# Altium PCB EVK-NORA-W40.PcbDoc (part 5 of 5)
Units mm, origin at the board's own origin, x right, y up, seen from the top; angles counter-clockwise.
Board outline 100 x 70 mm, 6 copper layers (L1, L2, L3, L4, L5, L6), stack 1.547 mm thick; 404 components, 228 nets, 1172 pads, 1349 vias.
Unrouted connection lines stored in the file: 69.
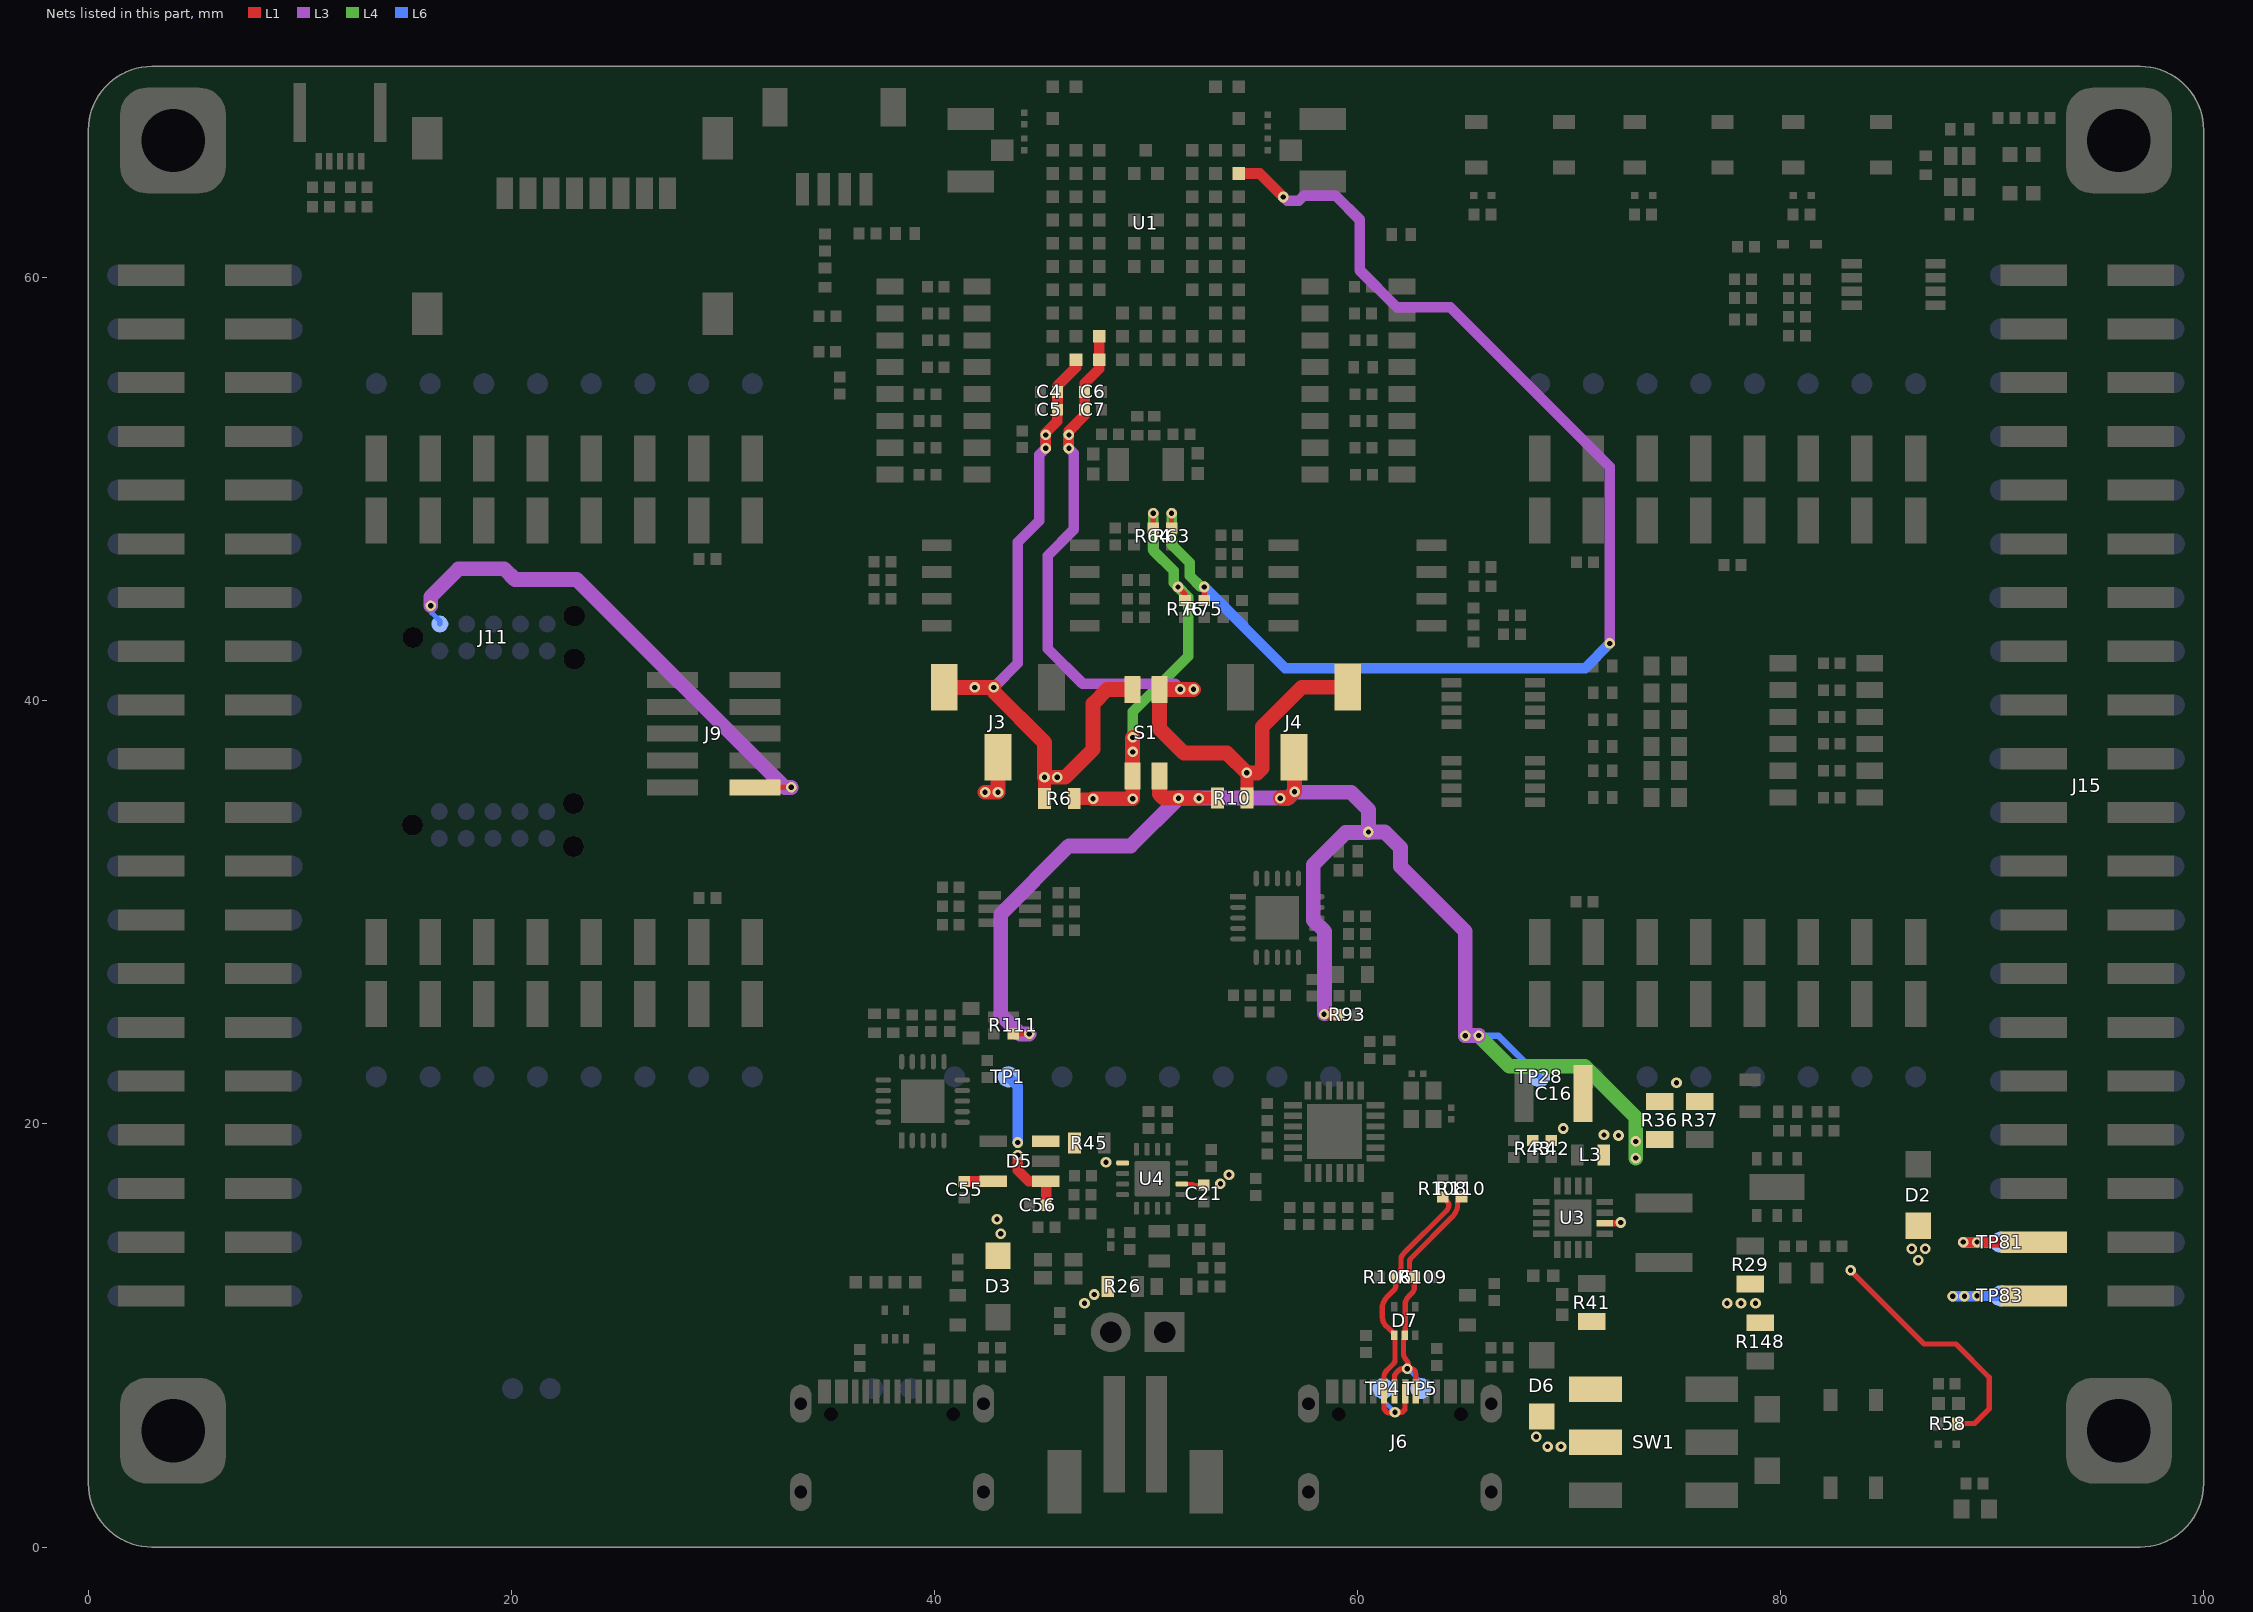
[diagram p9: the nets of this part, all layers, seen from the top]

## Via types
v1: diameter 0.5, hole 0.25, L1 to L6, 1349 vias

## Nets (pads, with @x,y where several pads share a name; then routed paths per layer and width w, separated by ;. In a path a pad name is that pad's centre, name@x,y a point inside that pad or via, vN(x,y) a via of type N, cw(c..) or ccw(c..) an arc to the next point about the centre after c; other vN are vias at no path point) (continued)
USB_n: D7.1 J6.A7 J6.B7 R106.2 R108.2 TP4.1 | length 15
  L1 w0.25: 62.052,13.527 62.052,13.247 cw(c61.403,13.247) 61.937,12.878 cw(c61.403,13.247) 61.862,12.788 R106.2@61.825,12.751 61.802,12.728 61.802,12.325 cw(c61.552,12.325) 61.73,12.149 61.402,11.821 ccw(c61.977,11.245) 61.163,11.245 61.163,10.973 ccw(c61.94,10.973) 61.163,10.971 ccw(c61.94,10.973) 61.199,10.738 ccw(c61.722,10.82) 61.444,10.371 61.488,10.335 61.705,10.118 D7.1@61.73,10.018 61.73,9.982 61.73,9.981 ccw(c61.98,9.982) 61.751,9.882 cw(c61.523,9.78) 61.773,9.78 61.773,9.293 61.773,8.841 cw(c61.523,8.841) 61.7,8.664 61.38,8.345 ccw(c61.694,8.031) 61.25,8.031 J6.B7@61.25,7.355 61.25,6.641 ccw(c61.574,6.641) 61.345,6.412 ccw(c61.493,6.56) 61.493,6.35 61.747,6.35 v1(61.773,6.375) 62.032,6.375 ccw(c62.032,6.599) 62.19,6.441 ccw(c62.045,6.586) 62.25,6.586 J6.A7@62.25,7.355 ; 62.052,13.528 cw(c62.566,13.528) 62.059,13.614 ccw(c61.813,13.654) 62.061,13.627 cw(c62.459,13.582) 62.176,13.865 62.202,13.891 ; 62.203,13.892 64.197,15.886 ccw(c64.019,16.062) 64.221,15.914 ccw(c63.649,16.329) 64.3,16.056 ; R108.2@64.027,16.547 64.246,16.328 cw(c64.069,16.151) 64.301,16.056
  L6 w0.203: TP4.1@61.214,7.493 61.214,6.934 v1(61.773,6.375)
USB_p: D7.2 J6.A6 J6.B6 R109.2 R110.2 TP5.1 | length 13.4
  L1 w0.25: J6.A6@61.75,7.355 61.75,8.046 cw(c62,8.046) 61.823,8.222 61.961,8.36 cw(c62.137,8.183) 62.137,8.433 v1(62.357,8.433) ; R109.2@62.531,12.924 cw(c62.709,13.1) 62.459,13.1 62.459,13.479 cw(c62.709,13.479) 62.532,13.655 64.498,15.622 ccw(c64.321,15.798) 64.516,15.642 ccw(c63.649,16.329) 64.725,16.073 ccw(c64.482,16.13) 64.729,16.167 cw(c64.943,16.199) 64.73,16.237 cw(c65.217,16.149) R110.2@64.919,16.543 ; R109.2@62.532,12.923 R109.2@62.689,12.766 ; R109.2@62.689,12.715 62.689,12.266 cw(c62.33,12.266) 62.584,12.012 62.408,11.836 ccw(c62.776,11.468) 62.255,11.471 62.255,10.149 cw(c62.005,10.149) 62.248,10.087 D7.2@62.23,10.018 62.23,9.964 cw(c61.98,9.964) 62.216,9.88 62.188,9.802 ccw(c62.423,9.717) 62.173,9.717 62.173,9.128 ccw(c62.423,9.129) 62.199,9.019 ccw(c63.216,9.526) 62.337,8.805 cw(c62.143,8.647) 62.389,8.6 v1(62.357,8.433) 62.5,8.433 cw(c62.5,8.183) 62.75,8.183 J6.B6@62.75,7.355
  L6 w0.203: v1(62.357,8.433) 62.992,7.798 TP5.1@62.992,7.493
V_BAT: C56.1 D5.1 D5.3 R26.1 R45.2 TP1.1 | length 6.7
  L1 w0.5: v1(43.942,18.517) 43.942,17.805 44.46,17.287 D5.1@45.268,17.287 45.282,17.274 C56.1@45.282,16.15
  L6 w0.5: TP1.1@43.489,22.231 43.942,21.778 v1(43.942,19.126)
  other v1: 47.092,11.532 47.549,11.938
VBUS: C21.1 C55.1 D2.C D3.C D5.5 D6.C SW1.2 U4.6 U4.13 | length 2.4
  L1 w0.2: U4.6@51.693,17.16 52.207,17.16 52.254,17.113 C21.1@52.73,17.113
  L1 w0.5: C55.1@41.402,17.291 42.764,17.291 D5.5@42.768,17.287
  other v1: 68.986,4.75 69.621,4.75 68.453,5.207 86.512,13.564 86.208,14.097 86.843,14.097 43.135,14.814 42.957,15.499 53.518,17.17 53.924,17.602 48.108,18.186
VDD: C4.1 C5.1 J3.1 R6.1 S1.4 U1.A8 | length 34.4
  L1 w0.5: v1(45.263,51.943) v1(45.262,52.578) 45.262,52.679 45.805,53.222 45.805,53.762 C5.1@45.815,53.772 45.817,54.609 C4.1@45.818,54.61 45.818,54.911 46.69,55.783 U1.A8@46.69,56.14
  L1 w0.6: R6.1@45.201,35.382 v1(45.201,36.394)
  L1 w0.7: J3.1@40.46,40.65 40.47,40.64 v1(41.91,40.64) v1(42.799,40.64) 42.799,40.437 45.201,38.035 v1(45.201,36.394) v1(45.81,36.394) 46.173,36.394 47.498,37.719 47.498,39.878 48.17,40.55 S1.4@49.365,40.55
  L3 w0.5: v1(41.91,40.64) v1(42.799,40.64) 43.942,41.783 43.942,47.498 44.958,48.514 44.958,51.638 v1(45.263,51.943) v1(45.262,52.578)
VDD_IO: J4.2 R10.2 R36.2 R93.1 R111.1 S1.2 TP28.1 | length 74.2
  L1 w0.25: R111.1@43.716,24.263 43.719,24.26 44.472,24.26 v1(44.475,24.257)
  L1 w0.5: v1@58.42,25.171 R93.1@59.115,25.171
  L1 w0.6: v1(52.502,35.408) R10.2@53.329,35.408
  L1 w0.7: S1.2@50.635,36.45 50.635,35.598 50.825,35.408 v1(51.537,35.408) v1(52.502,35.408) ; v1(56.348,35.408) 56.718,35.408 v1(57.023,35.712) J4.2@57.023,37.327
  L3 w0.7: v1(44.475,24.257) 44.044,24.257 43.129,25.171 43.129,29.921 46.355,33.147 49.276,33.147 v1(51.537,35.408) v1(52.502,35.408) v1(56.348,35.408) 56.718,35.408 v1(57.023,35.712) 57.048,35.687 59.69,35.687 60.518,34.859 v1(60.518,33.807) 61.29,33.807 62.027,33.071 62.027,32.182 65.096,29.113 v1(65.096,24.176) 65.1,24.181 v1(65.735,24.181) ; v1@58.445,25.212 58.445,29.108 57.912,29.642 57.912,32.258 59.436,33.782 v1@60.518,33.782
  L4 w0.7: v1(65.096,24.176) 65.731,24.176 v1(65.735,24.181) 67.183,22.733 70.739,22.733 73.152,20.32 v1(73.152,19.177) v1(73.152,18.39)
  L6 w0.3: v1(65.096,24.176) 66.665,24.176 TP28.1@68.61,22.231
  other v1: 58.42,25.187
VDD_MOD: C16.1 J3.2 J9.1 J11.1 J15.37 L3.2 R6.2 R36.1 R37.2 R42.2 R43.2 R58.2 R64.1 R76.1 S1.1 TP81.1 U3.14 | length 69.1
  L1 w0.25: J9.1@31.518,35.916 v1(33.226,35.916) ; v1(50.343,48.87) 50.346,48.867 R64.1@50.346,48.177 ; v1(51.511,45.39) 51.844,45.057 R76.1@51.844,44.743 ; v1(83.312,13.081) 86.792,9.601 88.29,9.601 89.865,8.026 89.865,6.528 89.179,5.842 88.385,5.842 R58.2@88.359,5.817
  L1 w0.3: U3.14@71.688,15.309 72.408,15.309 v1(72.441,15.342)
  L1 w0.5: v1@88.646,14.402 v1@88.654,14.41 ; v1(88.646,14.418) v1(89.292,14.418) ; v1@89.292,14.41 J15.37@91.975,14.41 91.967,14.418 v1(89.292,14.418)
  L1 w0.6: R6.2@46.601,35.382 v1(47.498,35.382)
  L1 w0.7: v1(42.393,35.687) v1(43.002,35.687) 43,35.689 J3.2@43,37.35 ; v1(47.498,35.382) v1@49.301,35.382 ; v1(49.378,35.382) 49.378,36.437 S1.1@49.365,36.45 49.365,38.265 v1(49.378,38.278)
  L3 w0.7: v1(16.18,44.501) 16.18,44.933 17.501,46.253 19.66,46.253 20.168,45.745 23.089,45.745 32.918,35.916 v1(33.226,35.916)
  L4 w0.5: v1(49.378,37.592) v1(49.378,38.278) 49.378,39.497 51.994,42.113 51.994,44.907 v1@51.513,45.388 ; v1(50.343,48.87) 50.343,47.117 51.308,46.152 51.308,45.595 51.511,45.392 v1(51.511,45.39)
  L6 w0.25: v1(16.18,44.501) 16.229,44.451 16.229,44.171 16.614,43.786 J11.1@16.614,43.637
  L6 w0.5: v1@88.646,14.402 90.392,14.402 TP81.1@90.4,14.41 90.396,14.414 89.296,14.414 v1(89.292,14.418)
  other v1: 72.339,19.456 71.653,19.482 69.723,19.787 75.082,21.946
VDD_SPI: R63.1 R75.1 U1.J1 | length 60.2
  L1 w0.25: R63.1@51.209,48.177 v1@51.209,48.999 ; v1(52.756,45.39) 52.757,45.388 52.757,44.744 R75.1@52.759,44.743
  L1 w0.5: U1.J1@54.39,64.94 55.38,64.94 v1(56.49,63.83)
  L3 w0.5: v1(56.49,63.83) 56.492,63.83 56.67,63.652 57.226,63.652 57.455,63.881 58.979,63.881 60.096,62.763 60.096,60.376 61.849,58.623 64.389,58.623 71.933,51.079 v1(71.933,42.723)
  L4 w0.5: v1(51.209,48.87) 51.209,47.394 52.07,46.533 52.07,45.923 52.602,45.391 52.754,45.391 v1(52.756,45.39)
  L6 w0.5: v1(52.756,45.39) 56.591,41.554 70.764,41.554 v1(71.933,42.723)
VIO: C6.1 C7.1 J4.3 R10.1 S1.3 U1.A7 U1.B7 | length 41.6
  L1 w0.5: v1(46.355,51.943) 46.355,52.58 46.357,52.582 46.357,52.768 47.091,53.502 47.091,53.762 C7.1@47.101,53.772 C6.1@47.101,54.61 47.101,55.026 47.79,55.715 U1.A7@47.79,56.14 U1.B7@47.79,57.24
  L1 w0.6: v1(54.763,36.601) 54.779,36.584 R10.1@54.779,35.408
  L1 w0.7: v1@52.248,40.538 51.636,40.538 v1(51.624,40.55) S1.3@50.635,40.55 50.635,38.697 51.791,37.541 53.823,37.541 v1(54.763,36.601) 55.27,36.601 55.499,36.83 55.499,38.786 57.363,40.65 J4.3@59.54,40.65
  L3 w0.5: v1(46.355,52.578) v1(46.355,51.943) 46.584,51.714 46.584,48.109 45.35,46.875 45.35,42.475 47,40.825 51.349,40.825 v1(51.624,40.55) 52.236,40.55 v1@52.248,40.538
  other v1: 52.248,40.55
VOUT: J15.39 R29.1 R41.1 R148.1 SW1.1 TP83.1 | length 2.3
  L6 w0.5: v1(88.138,11.862) v1(88.697,11.862) 89.288,11.862 v1@89.296,11.87 ; v1(89.292,11.878) 89.296,11.874 90.396,11.874 TP83.1@90.4,11.87
  other v1: 77.472,11.519 78.132,11.519 78.818,11.519
pads on no net: D4.4 D5.4 D7.4 J5.A8 J5.B8 J5.MH1 J5.MH2 J6.A8 J6.B8 J6.MH1 J6.MH2 J9.7 J10.1 J10.2 J10.3 J10.4 J10.5 J10.6 J10.7 J10.8 J10.9 J10.10 J10.A J10.B J10.C J11.7 J11.9 J11.A J11.B J11.C J13.1 J13.2 J13.3 J13.4 J13.5 J13.6 J13.7 J13.8 J14.1 J14.3 J14.5 RGB2.1 SW1.3 SW1.6 TP10.1 TP11.1 TP12.1 TP13.1 TP14.1 TP15.1 TP16.1 TP17.1 TP18.1 TP19.1 TP20.1 TP21.1 TP22.1 TP23.1 TP24.1 TP25.1 TP32.1 TP33.1 TP34.1 TP35.1 TP36.1 TP37.1 TP39.1 TP40.1 TP41.1 TP43.1 TP125.1 TP126.1 U4.12 U7.2 U7.5 U7.7 U7.14 U7.15 U8.6 U8.7 U8.8 U8.11 U8.12 U8.23 U9.2 U9.5 U9.7 U9.14 U9.15

## Polygon pours and split planes (outlines as drawn)
GND on L1 "GND_L1" (solid, remove dead copper, pour order 181): 2.718,69.545 97.205,69.545 cw(c97.205,67.183) 99.568,67.183 99.568,3.048 cw(c97.028,3.048) 97.028,0.508 3.301,0.508 cw(c3.301,3.318) 0.491,3.319 0.525,67.353 cw(c2.718,67.352)
V_BAT on L1 "NONET_L-01_P-001" (solid, pour order 171): 46.971,11.195 47.288,11.195 47.912,11.819 48.495,11.819 48.495,12.819 47.896,12.819 46.761,11.684 46.761,11.405
NetC36_1 on L1 "NONET_L-01_P-001" (solid, pour order 137): 57.092,28.127 57.092,27.516 57.589,27.018 57.589,26.623 57.631,26.581 58.382,26.581 58.547,26.416 58.547,25.984 58.746,25.785 59.375,25.785 59.369,25.791 59.369,27.34 59.832,27.803 59.832,30.095 59.312,30.095 59.312,29.62 59.057,29.365 57.83,29.365 57.83,28.493 57.464,28.127
NetC32_2 on L1 "NONET_L-01_P-001" (solid, pour order 130): 51.569,44.203 55.433,44.203 55.8,43.836 57.15,43.836 57.15,43.286 55.571,43.286 55.169,43.688 55.164,43.683 51.569,43.683
+3V3 on L1 "NONET_L-01_P-001" (solid, pour order 179): 74.822,42.615 75.006,42.799 75.286,42.799 76.149,41.935 76.149,34.874 75.565,34.29 75.032,34.29 74.822,34.5 74.822,35.033
+3V3 on L1 "NONET_L-01_P-001" (solid, pour order 180): 60.169,27.476 61.881,27.476 62.128,27.229 62.128,26.899 61.906,26.676 60.169,26.676
CHRG_OUT on L1 "NONET_L-01_P-001" (solid, pour order 120): 49.822,20.053 49.81,20.041 48.16,20.041 47.72,19.601 47.72,18.601 48.32,18.601 49.049,19.329 49.354,19.329 49.759,19.329 49.923,19.165 49.923,18.57 50.663,18.57 50.663,19.31 50.886,19.533 52.235,19.533 52.811,18.957 52.811,18.639 52.914,18.536 53.232,18.536 53.365,18.669 53.365,19.482 52.794,20.053
+3V3 on L1 "NONET_L-01_P-001" (solid, pour order 131): 61.011,21.59 61.011,22.555 60.857,22.708 60.857,23.355 60.307,23.355 60.307,22.74 60.003,22.436 60.003,21.159 60.58,21.159
+3V3 on L1 "NONET_L-01_P-001" (solid, pour order 132): 54.585,19.964 54.762,19.787 55.328,19.787 55.455,19.914 56.108,19.914 56.288,19.734 57.327,19.734 57.378,19.785 57.378,19.976 57.32,20.034 56.405,20.034 56.005,20.434 55.423,20.434 55.207,20.65 54.801,20.65 54.585,20.434
VBUS on L1 "NONET_L-01_P-001" (solid, pour order 154): 51.488,17.28 52.104,17.28 52.197,17.373 53.314,17.373 53.67,17.729 53.823,17.882 54.051,17.882 54.204,17.729 54.204,17.45 53.607,16.853 52.286,16.853 52.099,17.04 51.489,17.04
+3V3 on L1 "NONET_L-01_P-001" (solid, pour order 178): 6.45,30.15 11.227,30.15 11.481,29.896 11.481,29.388 11.243,29.15 6.45,29.15
VDD_MOD on L1 "NONET_L-01_P-001" (solid, pour order 177): 93.55,14.91 93.55,13.91 88.528,13.91 88.316,14.122 88.316,14.681 88.545,14.91
VBUS on L1 "NONET_L-01_P-001" (solid, pour order 174): 85.912,15.812 85.912,13.757 86.36,13.31 86.639,13.31 87.112,13.783 87.112,15.812
VBUS on L1 "NONET_L-01_P-001" (solid, pour order 141): 42.405,15.532 42.118,15.819 42.118,17.562 43.449,17.562 43.605,17.406 43.605,13.144 42.405,13.144
V_BAT on L1 "NONET_L-01_P-001" (solid, pour order 133): 43.688,19.284 43.878,19.474 45.304,19.474 45.431,19.601 46.92,19.601 46.92,18.601 46.32,18.601 46.074,18.847 44.628,18.847 44.005,18.224 43.803,18.224 43.688,18.339
GND on L1 "NONET_L-01_P-001" (solid, pour order 172): 47.641,54.762 48.362,54.762 48.539,54.585 49.276,54.585 49.428,54.432 49.428,54.127 49.327,54.026 48.768,54.026 48.362,53.619 47.641,53.619
NetC28_1 on L1 "NONET_L-01_P-001" (solid, pour order 121): 49.923,16.25 50.663,16.25 50.663,15.707 51.109,15.261 51.959,15.261 52.009,15.211 52.009,14.781 51.939,14.711 51.212,14.711 51.125,14.624 50.07,14.624 49.923,14.771
BAT_IN on L1 "NONET_L-01_P-001" (solid, pour order 122): 50.268,13.081 49.895,12.708 49.895,11.819 49.217,11.819 49.073,11.963 49.073,12.878 50.019,13.824 51.314,13.824 51.488,13.998 51.912,13.998 52.311,14.397 52.784,14.397 52.784,13.688 52.949,13.523 52.949,12.044 52.824,11.919 51.606,11.919 51.511,12.014 51.511,12.7 51.13,13.081
NetF3_2 on L1 "NONET_L-01_P-001" (solid, pour order 123): 49.939,11.1 50.206,11.367 50.206,12.705 50.22,12.719 51.06,12.719 51.308,12.471 51.308,11.709 51.384,11.633 51.819,11.199 51.819,8.893 50.998,8.072 50.998,2.584 49.998,2.584 49.998,8.809 49.939,8.867
DC_ind on L1 "NONET_L-01_P-001" (solid, pour order 124): 69.901,18.948 70.002,19.042 70.696,19.042 70.696,17.851 71.088,17.459 71.088,16.659 69.788,16.659 69.788,17.734 69.901,17.847
NetC17_1 on L1 "NONET_L-01_P-001" (solid, pour order 125): 75.667,14.148 75.565,14.249 73.127,14.249 72.441,14.959 71.288,14.959 71.288,14.545 71.202,14.459 69.788,14.459 69.788,12.41 69.617,12.238 69.375,12.238 69.375,11.638 69.975,11.638 69.975,11.784 70.248,12.057 75.43,12.057 75.848,12.497 75.848,13.966
VDD_MOD on L1 "NONET_L-01_P-001" (solid, pour order 126): 70.222,20.796 69.161,19.736 68.257,19.736 68.003,19.481 68.003,18.961 69.442,18.961 69.937,19.456 70.932,19.456 71.346,19.042 71.346,18.042 72.144,18.042 72.619,18.517 72.619,19.641 73.645,20.668 76.825,20.668 76.825,22.032 76.632,22.225 71.65,22.225 71.088,22.788 70.222,22.788
VOUT on L1 "NONET_L-01_P-001" (solid, pour order 127): 79.215,11.483 79.215,12.824 79.204,12.835 77.942,12.835 76.164,11.057 70.422,11.057 70.422,8.598 70,8.176 70,6.853 72.5,6.853 72.5,8.441 73.736,9.677 76.683,9.677 77.208,10.203 79.695,10.203 79.695,11.003
NetC12_1 on L1 "NONET_L-01_P-001" (solid, pour order 128): 79.928,12.454 78.547,13.835 77.915,13.835 77.915,14.635 77.216,15.334 77.216,18.059 77.83,18.673 79.11,18.673 79.11,18.043 78.66,18.043 78.651,18.034 78.207,18.034 77.915,17.742 77.915,16.217 78.139,15.993 79.11,15.993 79.11,15.2 79.807,14.503 80.453,14.503 80.457,14.499 80.457,13.525 80.528,13.454 80.528,12.454
NetC30_2 on L1 "NONET_L-01_P-001" (solid, pour order 129): 46.4,47.637 51.484,47.637 51.484,47.117 51.463,47.096 46.4,47.096
NetC41_1 on L1 "NONET_L-01_P-001" (solid, pour order 134): 39.832,22.699 39.828,22.703 39.828,23.774 39.497,24.105 38.666,24.105 38.666,24.625 41.075,24.625 41.335,24.365 42.368,24.365 42.527,24.523 43.077,24.523 43.077,24.003 42.838,23.765 42.129,23.765 41.732,23.368 41.732,22.784 42.05,22.466 42.772,22.466 42.772,21.946 41.108,21.946 41.066,21.988 41.066,22.46 40.827,22.699
+3V3 on L1 "NONET_L-01_P-001" (solid, pour order 136): 41.335,25.165 41.335,25.797 41.046,26.086 41.046,26.441 41.25,26.645 42.24,26.645 42.443,26.441 42.443,26.086 42.135,25.777 42.135,25.165
NetD4_5 on L1 "NONET_L-01_P-001" (solid, pour order 138): 35.9,6.861 35.9,8.626 35.458,9.068 35.077,9.068 34.874,8.865 34.874,8.636 35.3,8.21 35.3,6.861
NetD4_5 on L1 "NONET_L-01_P-001" (solid, pour order 139): 41.401,9.095 41.402,9.096 41.402,9.957 41.5,10.055 41.5,10.8 40.7,10.8 40.7,9.398 40.208,8.917 40.208,8.179 40.1,8.071 40.1,6.871 40.7,6.866 40.7,8.39 40.996,8.686
5V on L1 "NONET_L-01_P-001" (solid, pour order 140): 40.825,13.068 40.825,12.518 40.7,12.393 40.7,11.387 41.648,11.387 42.113,10.922 42.113,10.536 42.405,10.244 43.605,10.244 43.605,11.494 42.913,11.494 42.113,12.294 42.113,12.471 41.517,13.068
NetD7_5 on L1 "NONET_L-01_P-001" (solid, pour order 142): 59.9,6.855 59.893,6.861 59.893,8.128 59.842,8.179 59.842,9.22 59.639,9.423 59.36,9.423 59.182,9.246 59.182,8.23 59.3,8.112 59.3,6.854
NetD7_5 on L1 "NONET_L-01_P-001" (solid, pour order 143): 65.456,9.169 65.456,9.957 65.602,10.103 65.602,10.8 64.802,10.8 64.802,9.481 64.237,8.915 64.237,8.103 64.1,7.966 64.1,6.893 64.7,6.893 64.7,8.414
5V on L1 "NONET_L-01_P-001" (solid, pour order 144): 64.802,12.2 65.602,12.2 65.877,11.925 66.038,11.925 67.348,11.925 69.307,9.966 69.307,8.445 68.107,8.445 68.107,9.769 66.929,10.947 65.075,10.947 64.802,11.22 64.802,11.322
+Vin on L1 "NONET_L-01_P-001" (solid, pour order 145): 88.374,17.45 87.112,18.712 85.912,18.712 85.912,17.462 86.924,16.45 89.907,16.45 93.55,16.45 93.55,17.45 90.4,17.45
VOUT on L1 "NONET_L-01_P-001" (solid, pour order 146): 88.087,12.37 87.782,12.065 87.782,11.626 88.058,11.37 93.55,11.37 93.55,12.37
+3V3 on L1 "NONET_L-01_P-001" (solid, pour order 147): 75.525,19.668 76.894,19.668 77.648,20.422 77.648,20.676 77.858,20.886 80.131,20.886 80.143,20.874 80.143,20.104 80.175,20.073 80.175,19.164 80.06,19.049 80.06,18.043 79.61,18.043 79.61,18.673 79.415,18.868 76.825,18.868 75.525,18.868
VBUS on L1 "NONET_L-01_P-001" (solid, pour order 153): 68.107,6.795 69.303,6.795 69.418,6.68 69.418,6.135 70,5.553 72.5,5.553 72.5,4.353 68.723,4.353 68.107,4.969 68.107,5.545
VBUS on L1 "NONET_L-01_P-001" (solid, pour order 155): 49.133,18.28 49.133,18.04 48.393,18.04 48.285,17.932 47.981,17.932 47.828,18.085 47.828,18.288 47.981,18.44 48.336,18.44 48.496,18.28 48.712,18.28
VDD_IO on L1 "NONET_L-01_P-001" (solid, pour order 156): 72.847,19.279 73.236,19.668 73.381,19.668 74.945,19.668 74.945,18.868 74.113,18.868 73.355,18.11 72.974,18.11 72.847,18.237
+3V3 on L1 "NONET_L-01_P-001" (solid, pour order 157): 60.003,18.109 60.377,18.109 60.884,17.602 61.57,17.602 62.408,16.764 62.408,16.434 62.243,16.269 61.125,16.269 60.96,16.434 60.96,16.764 60.465,17.259 60.003,17.259
5V on L1 "NONET_L-01_P-001" (solid, pour order 163): 78.775,5.88 78.775,7.153 78.359,7.569 78.359,7.925 78.537,8.103 80.239,8.103 80.416,7.925 80.416,7.571 79.975,7.13 79.975,5.88
NetD21_C on L1 "NONET_L-01_P-001" (solid, pour order 164): 75.5,5.553 78.191,5.553 78.648,5.553 79.975,4.226 79.975,3 78.775,3 78.775,3.771 78.193,4.353 75.5,4.353
+5V on L1 "NONET_L-01_P-001" (solid, pour order 169): 78,6.853 78,8.053 78.005,8.053 78.354,8.403 79.695,8.403 79.695,9.332 79.553,9.474 77.521,9.474 77.165,9.119 76.073,9.119 75.5,8.546 75.5,6.853
GND on L6 "GND_L6" (solid, remove dead copper, pour order 176): 2.718,69.545 97.205,69.545 cw(c97.205,67.183) 99.568,67.183 99.568,3.048 cw(c97.028,3.048) 97.028,0.508 3.301,0.508 cw(c3.301,3.318) 0.491,3.319 0.525,67.353 cw(c2.718,67.352)
V_BAT on L6 "NONET_L-01_P-001" (solid, pour order 170): 43.866,12.395 47.6,12.395 47.828,12.167 47.828,11.811 47.244,11.227 43.383,11.227 41.529,13.081 41.529,16.637 43.307,18.415 43.307,19.304 43.485,19.482 44.018,19.482 44.196,19.304 44.196,17.882 42.545,16.231 42.545,13.716
VOUT on L6 "NONET_L-01_P-001" (solid, pour order 173): 79.807,11.887 81.331,10.363 84.963,10.363 87.147,12.548 90.419,12.548 90.888,12.079 90.888,11.665 90.094,10.871 87.478,10.871 85.623,9.017 78.562,9.017 77.114,10.465 77.114,11.582 77.419,11.887
NetD4_5 on L6 "NONET_L-01_P-001" (solid, pour order 149): 36.144,9.017 37.389,10.262 37.389,10.693 37.897,11.201 39.929,11.201 41.402,9.728 41.402,9.22 40.894,8.712 40.513,8.712 39.345,9.881 38.125,9.881 36.271,8.026 35.408,8.026 34.925,8.509 34.925,8.839 35.103,9.017
NetD7_5 on L6 "NONET_L-01_P-001" (solid, pour order 150): 61.874,11.074 63.271,9.677 64.592,9.677 64.872,9.957 65.215,9.97 65.532,9.652 65.532,9.144 65.024,8.636 64.643,8.636 64.338,8.941 61.392,8.941 60.401,7.95 59.538,7.95 59.055,8.433 59.055,9.119 59.36,9.423 60.503,9.423 61.417,10.338 61.417,10.897 61.595,11.074
GND on L4 "GND_L4" (solid, remove dead copper, pour order 165): 2.718,69.545 97.205,69.545 cw(c97.205,67.183) 99.568,67.183 99.568,3.048 cw(c97.028,3.048) 97.028,0.508 3.301,0.508 cw(c3.301,3.318) 0.491,3.319 0.525,67.353 cw(c2.718,67.352)
VBUS on L4 "NONET_L-01_P-001" (solid, pour order 159): 85.496,11.913 85.496,14.021 85.877,14.402 87.147,14.402 87.478,14.072 87.478,9.957 81.839,4.318 68.504,4.318 68.148,4.674 68.148,5.385 69.85,7.087 69.85,10.058 67.869,12.04 65.862,12.04 63.424,14.478 42.951,14.478 42.52,14.91 42.52,15.951 46.126,19.558 65.684,19.558 74.193,11.049 74.193,7.569 74.6,7.163 80.747,7.163